# Altium PCB CSUEAF4_v2.0(no polygon).PcbDoc (part 2 of 2)
Units mil, origin at the board's own origin, x right, y up, seen from the top; angles counter-clockwise.
Board outline 3947.04 x 3947.04 mil, 2 copper layers (Top Layer, Bottom Layer); 88 components, 107 nets, 436 pads, 166 vias.
Unrouted connection lines stored in the file: 67.
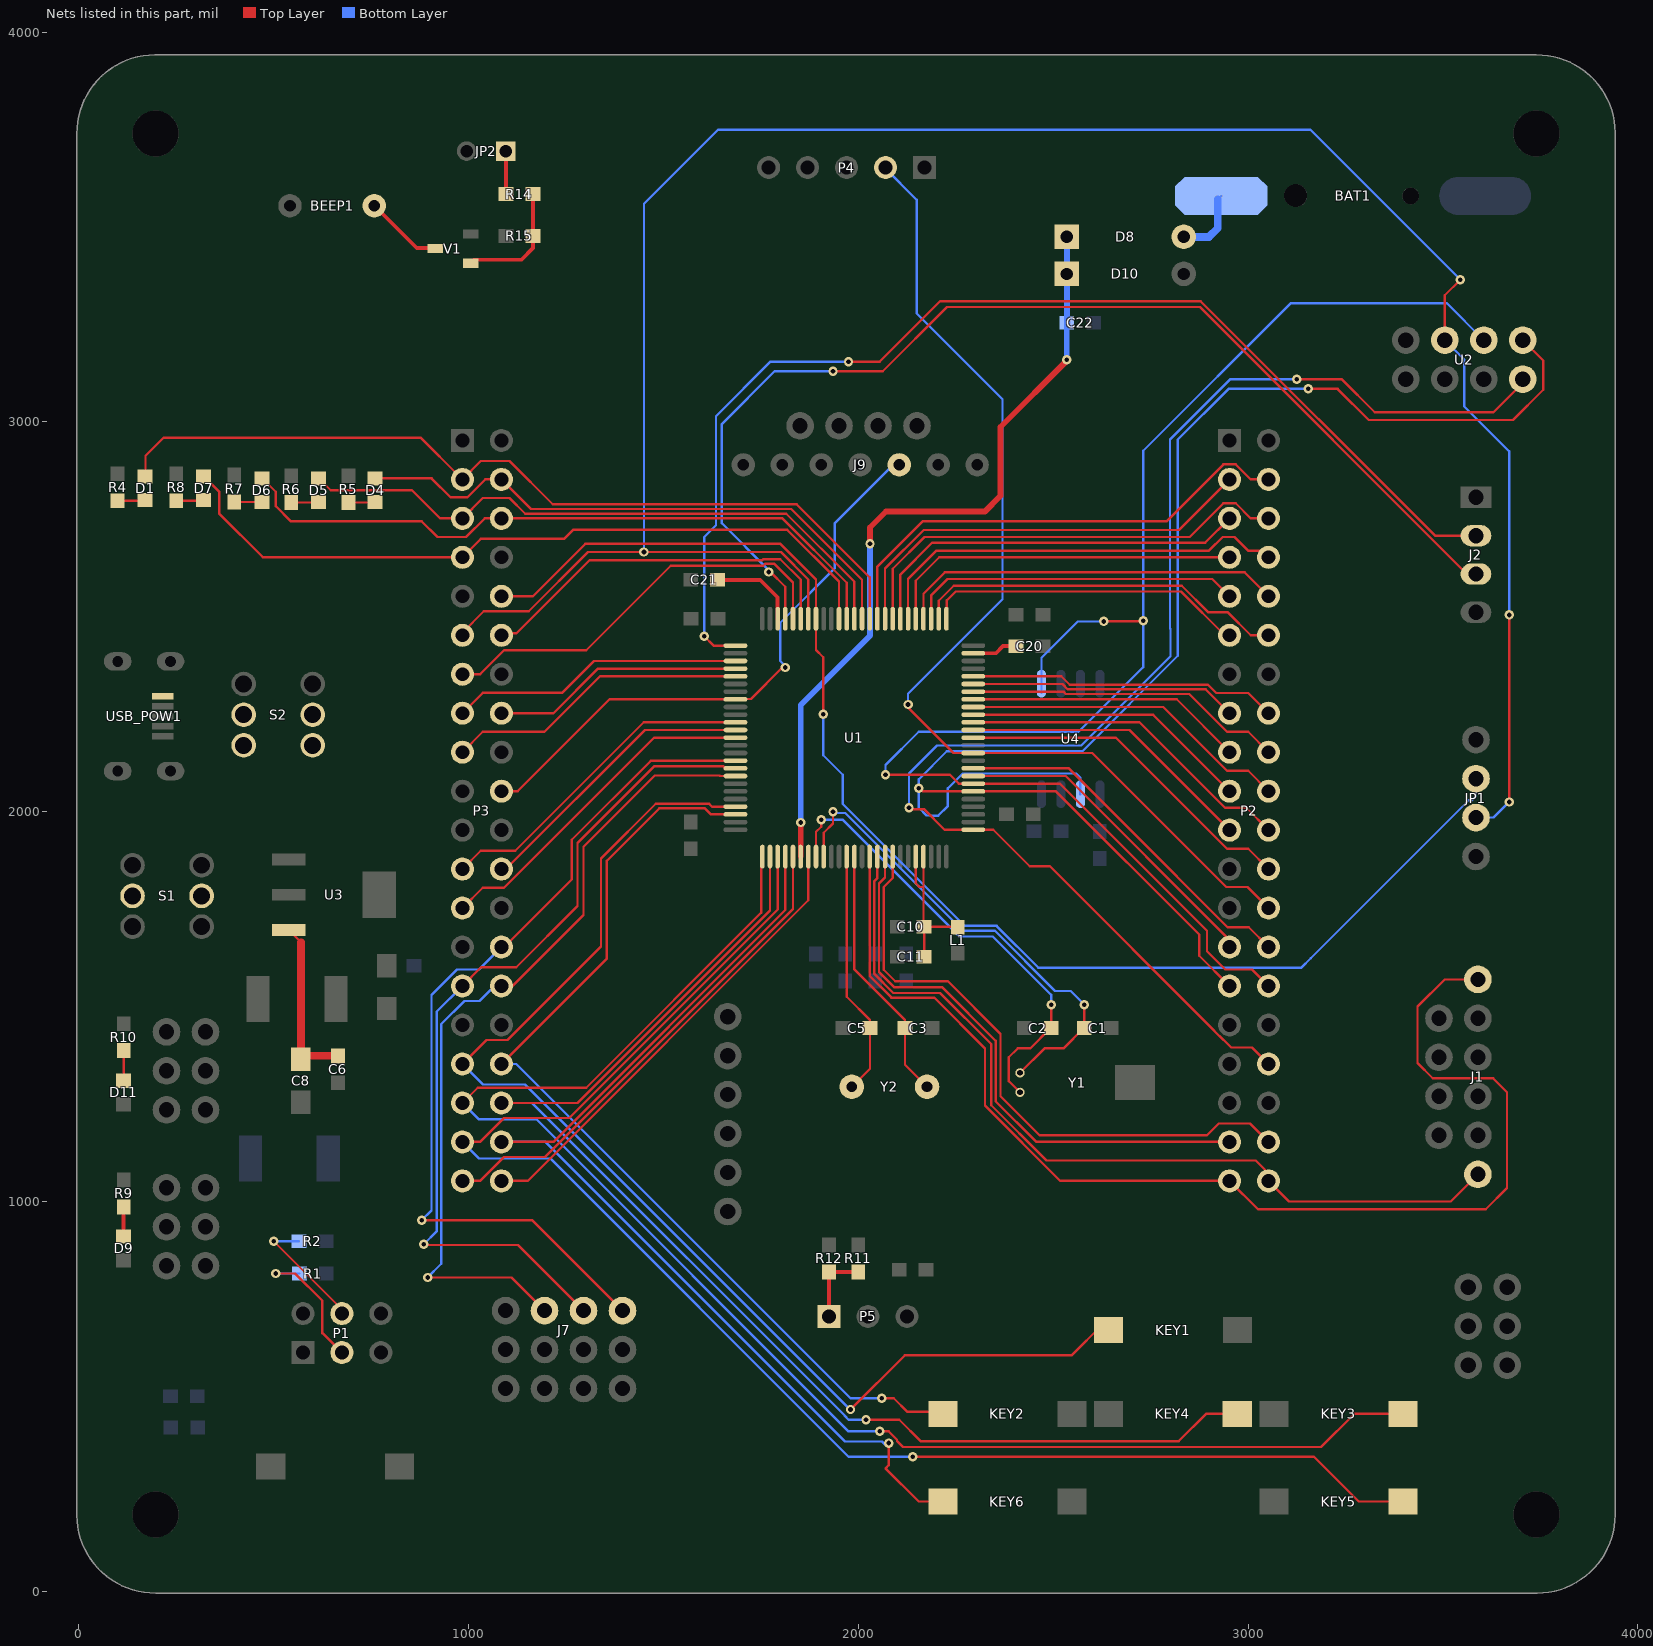
[diagram p2: the nets of this part, all layers, seen from the top]

## Via types
v1: diameter 24, hole 12, Top Layer to Bottom Layer, tented both sides, 144 vias
v2: diameter 24, hole 12, Top Layer to Bottom Layer, 22 vias

## Nets (pads, with @x,y where several pads share a name; then routed paths per layer and width w, separated by ;. In a path a pad name is that pad's centre, name@x,y a point inside that pad or via, vN(x,y) a via of type N, cw(c..) or ccw(c..) an arc to the next point about the centre after c; other vN are vias at no path point) (continued)
KEY: J1.1 P2.40 U1.16 | length 2227.2
  Top Layer w6: U1.16@2049.06,1884.88 2049.06,1829.78 2041.37,1822.09 2041.37,1583.6 2089.97,1535 2210,1535 2341,1404 2341,1246.8 2482.8,1105 3020,1105 3052.76,1072.24 P2.40@3052.76,1052.76 3105.51,1000 3520.31,1000 J1.1@3590,1069.69
KEY1: KEY1.1 P3.33 U1.97 | length 3229.2
  Top Layer w6: P3.33@984.25,1352.76 1045.72,1414.23 1100.21,1414.23 1340,1654.02 1340,1880 1480.52,2020.52 1617.31,2020.52 1625,2012.83 U1.97@1684.88,2012.83 ; v1(1980,466) 2119,605 2547.41,605 KEY1.1@2627.41,685
  Bottom Layer w6: P3.33@984.25,1352.76 992.24,1352.76 992.24,1344.76 1037.01,1300 1145,1300 v1@1985,460 ; v1(1980,466) v1@1983.06,466
KEY2: KEY2.1 P3.34 U1.98 | length 2523.5
  Top Layer w6: P3.34@1084.25,1352.76 1355,1623.5 1355,1874.37 1489.15,2008.52 1606.48,2008.52 1621.85,1993.15 U1.98@1684.88,1993.15 ; v1(2060,495) 2091,495 2126,460 KEY2.1@2212.41,460
  Bottom Layer w6: P3.34@1084.25,1352.76 1122.52,1352.76 1980.27,495 v1(2060,495)
KEY3: KEY3.1 P3.35 U1.1 | length 3930
  Top Layer w6: P3.35@984.25,1252.76 1023.5,1292 1302,1292 1751.1,1741.1 1751.1,1863.28 1753.78,1865.96 U1.1@1753.78,1884.88 ; v1(2055,410) 2078.12,410 2099.42,388.7 2099.42,385.58 2115,370 3187.48,370 3272.48,455 KEY3.1@3397.59,455
  Bottom Layer w6: P3.35@984.25,1252.76 1025.71,1211.3 1173.7,1211.3 1975,410 v1(2055,410)
KEY4: KEY4.1 P3.36 U1.2 | length 3309.3
  Top Layer w6: P3.36@1084.25,1252.76 1279.73,1252.76 1773.46,1746.49 U1.2@1773.46,1884.88 ; v1(2020,440) 2105,440 2160,385 2822.48,385 2892.48,455 KEY4.1@2972.59,455
  Bottom Layer w6: P3.36@1084.25,1252.76 1163.19,1252.76 1964.65,451.29 1964.65,450.65 1975.3,440 v1(2020,440)
KEY5: KEY5.1 P3.37 U1.3 | length 3990.1
  Top Layer w6: P3.37@984.25,1152.76 1029.77,1152.76 1091.24,1214.23 1258.17,1214.23 1793.15,1749.21 U1.3@1793.15,1884.88 ; v1(2140,345) 3169.37,345 3284.37,230 KEY5.1@3397.59,230
  Bottom Layer w6: P3.37@984.25,1152.76 984.25,1147.76 989.25,1147.76 1027.01,1110 1210,1110 1975,345 v1(2140,345)
KEY6: KEY6.1 P3.38 U1.4 | length 2677.5
  Top Layer w6: P3.38@1084.25,1152.76 1217.76,1152.76 1812.83,1747.83 U1.4@1812.83,1884.88 ; v1@2075,385 2078.42,381.58 v1(2078.42,380) 2078.42,323.42 2070,315 2155,230 KEY6.1@2217.41,230
  Bottom Layer w6: P3.38@1084.25,1152.76 1197.24,1152.76 1966,384 2061,384 v1@2070,375
NetBAT1_1: BAT1.1 D8.2 | length 183
  Bottom Layer w6: BAT1.1@2922.36,3571.01 BAT1.1@2931.35,3580
  Bottom Layer w20: D8.2@2835,3475 2900,3475 2922.36,3497.36 BAT1.1@2922.36,3571.01
NetBEEP1_2: BEEP1.2 V1.3 | length 202
  Top Layer w10: BEEP1.2@758.27,3555 867.17,3446.1 913.62,3446.1 V1.3@914.72,3445
NetC6_2: C6.2 C8.1 S1.2 S1.5 S2.3 S2.6 U3.3 | length 442.9
  Top Layer w6: U3.3@538.86,1696.4 570,1665.26
  Top Layer w20: 570,1665.26 C8.1@570,1365 578.6,1373.6 C6.2@665,1373.6
NetC10_2: C10.2 C11.2 L1.1 U1.21 U1.22 | length 436.5
  Top Layer w6: U1.21@2147.48,1884.88 2147.48,1816.52 2157.17,1806.83 2167.17,1806.83 ; U1.22@2167.17,1884.88 2167.17,1806.83 ; C11.2@2169,1627.76 C10.2@2169,1705 ; L1.1@2255,1703.55 2253.55,1705 C10.2@2169,1705 ; 2167.17,1806.83 2167.17,1706.83 C10.2@2169,1705
NetC20_1: C20.1 U1.49 | length 117.5
  Top Layer w10: U1.49@2295.12,2406.54 2353.17,2406.54 2371.63,2425 C20.1@2405,2425
NetC21_1: C21.1 U1.73 | length 227.8
  Top Layer w10: C21.1@1639,2595 1748.44,2595 1793.15,2550.29 U1.73@1793.15,2495.12
NetD1_A: D1.A R4.1 | length 71.3
  Top Layer w6: R4.1@99.37,2798 168.32,2798 D1.A@170,2799.68
NetD4_A: D4.A R5.1 | length 68.8
  Top Layer w6: R5.1@691.84,2793.26 758.58,2793.26 D4.A@760,2794.68
NetD5_A: D5.A R6.1 | length 70.3
  Top Layer w6: R6.1@545.3,2793.26 613.58,2793.26 D5.A@615,2794.68
NetD6_A: D6.A R7.1 | length 71.2
  Top Layer w6: R7.1@398.81,2794.68 D6.A@470,2794.68
NetD7_A: D7.A R8.1 | length 70.7
  Top Layer w6: R8.1@250,2798 318.32,2798 D7.A@320,2799.68
NetD9_A: D9.A R9.1 | length 76
  Top Layer w10: D9.A@115,910 R9.1@115,986
NetD11_A: D11.A R10.1 | length 77
  Top Layer w6: D11.A@115,1310 R10.1@115,1387
NetJP2_1: JP2.1 R14.1 | length 110.4
  Top Layer w10: JP2.1@1095,3695 1096,3694 R14.1@1096,3585
NetP1_3: P1.3 R1.1 | length 363.5
  Top Layer w6: v2(505,815) 555,815 625,745 625,662.23 P1.3@675,612.23
  Bottom Layer w6: v2(505,815) R1.1@566,815
NetP1_4: P1.4 R2.2 | length 323.9
  Top Layer w6: v2(500,898) 675.74,722.26 675.74,712.98 P1.4@675,712.23
  Bottom Layer w6: v2(500,898) R2.2@565,898
NetP5_1: P5.1 R11.1 R12.2 | length 189.4
  Top Layer w10: P5.1@1925,705 R12.2@1925,819.37 R11.1@2000,819.37
NetR14_2: R14.2 R15.2 V1.1 | length 314.6
  Top Layer w10: V1.1@1005.28,3407.6 1014.09,3416.41 1135.41,3416.41 1165,3446 R15.2@1165,3477.4 R14.2@1165,3585
NRF_CS: JP1.3 P3.11 U1.69 U2.4 | length 5863.2
  Top Layer w6: P3.11@984.25,2452.76 984.25,2459.25 1039.23,2514.23 1154.23,2514.23 1306.26,2666.26 v1(1450,2666.26) 1801.5,2666.26 1871.89,2595.87 U1.69@1871.89,2495.12 ; U2.4@3505,3210 3505,3325 v2(3545,3365) ; v2(3670,2025) v2(3670,2505)
  Bottom Layer w6: v1(1450,2666.26) 1450,3560 1640,3750 3160,3750 v2(3545,3365) ; U2.4@3505,3210 3555,3160 3555,3040 3670,2925 v2(3670,2505) ; JP1.3@3585,1985 3630,1985 v2(3670,2025)
NRF_IRQ: P2.34 U1.26 U2.8 | length 3691.4
  Top Layer w6: v1(2130,2010) 2133.35,2006.65 2168.66,2006.65 2221.52,1953.78 U1.26@2295.12,1953.78 2346.42,1953.78 2440.2,1860 2491.8,1860 2914.23,1437.57 2914.23,1436.8 2936.8,1414.23 2937.57,1414.23 2956.8,1395 3010.51,1395 P2.34@3052.76,1352.76 ; v2(3125,3110) 3240,3110 3325,3025 3630,3025 3705,3100 U2.8@3705,3110
  Bottom Layer w6: v1(2130,2010) 2130,2098.17 2201.83,2170 2571.97,2170 2801,2399.03 2801,2468.7 2800,2469.7 2800,2955 2955,3110 v2(3125,3110) ; U2.8@3697.73,3117.27 U2.8@3705,3110
"OS 8M IN": C5.2 U1.12 Y2.1 | length 634.6
  Top Layer w6: U1.12@1970.32,1884.88 1970.32,1525.18 2030,1465.5 C5.2@2030,1445 2030,1340.75 Y2.1@1983.54,1294.29
"OS 8M OUT": C3.2 U1.13 Y2.2 | length 667.8
  Top Layer w6: U1.13@1990,1884.88 1990,1595.5 2120,1465.5 C3.2@2120,1445 2120,1350.75 Y2.2@2176.46,1294.29
"OS 32K IN": C2.2 U1.8 Y1.1 | length 1202.6
  Top Layer w6: U1.8@1891.57,1884.88 1891.57,1948.43 1904.75,1961.6 v1(1904.75,1979) ; Y1.1@2415,1280 2386.22,1308.78 2386.22,1370 2408.98,1392.76 2441.26,1392.76 2493.5,1445 C2.2@2495,1445 v1(2495,1505)
  Bottom Layer w6: v1(1904.75,1979) 1961,1979 2260,1680 2345,1680 2495,1530 v1(2495,1505)
"OS 32K OUT": C1.2 U1.9 Y1.2 | length 1247.6
  Top Layer w6: U1.9@1911.26,1884.88 1911.26,1946.26 1935,1970 v1(1935,2000) ; Y1.2@2415,1330 2477.76,1392.76 2526.26,1392.76 2578.5,1445 C1.2@2580,1445 v1(2580,1505)
  Bottom Layer w6: v1(1935,2000) 1938.35,1996.65 1966.38,1996.65 2268.03,1695 2350,1695 2505,1540 2545,1540 v1(2580,1505)
PA6: P2.29 U1.31 U2.7 U4.2 | length 4205.4
  Top Layer w6: v1(2155,2060) 2157.17,2060 2164.69,2052.48 2294.84,2052.48 U1.31@2295.12,2052.2 2507.49,2052.2 2875,1684.7 2875,1630.51 P2.29@2952.76,1552.76 ; v2(3155,3085) 3230,3085 3310,3005 3680,3005 3757.51,3082.51 3757.51,3157.49 U2.7@3705,3210
  Bottom Layer w6: U4.2@2570,2045 2570,2086.49 2558.49,2098 2268,2098 2230,2060 2230,2015 2205,1990 2185.3,1990 2185.15,1990.15 2174.85,1990.15 2155,2010 v1(2155,2060) 2155,2083 2227,2155 2575,2155 2820,2400 2820,2955 2950,3085 v2@3150,3085
PA7: P2.30 U1.32 U2.6 U4.5 | length 4044
  Top Layer w6: v1(2070,2095) 2235,2095 2258.11,2071.89 U1.32@2295.12,2071.89 2517.51,2071.89 2895,1694.4 2895,1641.8 2941.56,1595.24 3010.27,1595.24 P2.30@3052.76,1552.76 ; v1(2630,2488.3) 2630.85,2489.15 2730.15,2489.15 v1(2731,2490)
  Bottom Layer w6: v1(2070,2095) 2070,2120 2155,2205 2565,2205 2731,2371 v1(2731,2490) 2731,2926 3110,3305 3510,3305 U2.6@3605,3210 ; U4.5@2470,2304.84 U4.5@2470,2328.46 2470,2395 2563.3,2488.3 v1(2630,2488.3)
PA9: JP1.2 P3.10 U1.68 | length 3544.7
  Top Layer w6: P3.10@1074.91,2543.41 P3.10@1084.25,2552.76 1165,2552.76 1299.5,2687.26 1800.24,2687.26 1891.57,2595.93 U1.68@1891.57,2495.12 1891.57,2414.99 1910,2396.56 v1(1910,2250)
  Bottom Layer w6: v1(1910,2250) 1910,2145 1960,2095 1960,2020 2273,1707 2354.97,1707 2461.97,1600 3137.3,1600 3161.15,1623.85 3161.15,1623.99 3566.6,2029.43 3574.43,2029.43 3585,2040 JP1.2@3585,2085
PA11: P3.12 U1.70 | length 971.1
  Top Layer w6: P3.12@1084.25,2452.76 1089.28,2457.78 1122.78,2457.78 1310.26,2645.26 1753.59,2645.26 1756.33,2648 1800,2648 1852.2,2595.8 U1.70@1852.2,2495.12
PA12: P3.13 U1.71 | length 1078.6
  Top Layer w6: P3.13@984.25,2352.76 1029.77,2352.76 1091.24,2414.23 1302.26,2414.23 1519.03,2631 1756.3,2631 1761.3,2636 1784.93,2636 1832.52,2588.41 U1.71@1832.52,2495.12
PA13: J2.3 U1.72 | length 2913.3
  Top Layer w6: v1(1770,2615) 1775,2615 1812.83,2577.17 U1.72@1812.83,2495.12 ; v1(1935,3130) 2062.76,3130 2227.76,3295 2876.51,3295 3561.51,2610 J2.3@3585,2610
  Bottom Layer w6: v1(1770,2615) 1770,2620 1650,2740 1650,2995 1785,3130 v1(1935,3130)
PA14: J2.2 U1.76 | length 2988.5
  Top Layer w6: v1(1605,2450) 1628.78,2426.22 U1.76@1684.88,2426.22 ; v1(1975,3155) 2055,3155 2210,3310 2878.48,3310 3480.06,2708.43 J2.2@3585,2708.43
  Bottom Layer w6: v1(1605,2450) 1605,2705 1635,2735 1635,3015 1775,3155 v1(1975,3155)
PB1: P2.26 P4.2 U1.36 | length 2764
  Top Layer w6: v1(2127.8,2275) 2127.8,2272.8 2125,2270 2244.37,2150.63 U1.36@2295.12,2150.63 2600.4,2150.63 2944.19,1806.83 2998.68,1806.83 P2.26@3052.76,1752.76
  Bottom Layer w6: P4.2@2055,3652.97 2067.03,3652.97 2150,3570 2150,3278.3 2370,3058.3 2370,2545 2127.8,2302.8 v1(2127.8,2275)
PB5: J7.1 P3.28 U1.91 | length 2289.4
  Top Layer w6: v1(880,952.16) 1162.84,952.16 J7.1@1395,720 ; P3.28@1084.25,1652.76 P3.28@1084.25,1671.53 ; P3.28@1098.56,1659.78 1265,1826.22 1265,1928.03 1467.92,2130.94 U1.91@1684.88,2130.94
  Bottom Layer w6: v1(880,952.16) 905,977.16 905,1530 970,1595 1026.5,1595 P3.28@1084.25,1652.76
PB6: J7.3 P3.29 U1.92 | length 2214.9
  Top Layer w6: v1@885,888.37 1126.63,888.37 J7.3@1295,720 ; P3.29@984.25,1552.76 1032.21,1600.71 1122.2,1600.71 1279.73,1758.24 1279.73,1919.73 1477,2117 1653.14,2117 1658.88,2111.26 U1.92@1684.88,2111.26
  Bottom Layer w6: v1(885,890) 918,923 918,1486.5 P3.29@984.25,1552.76
PB7: J7.5 P3.30 U1.93 | length 2121.9
  Top Layer w6: v1(895,805) 1110,805 J7.5@1195,720 ; P3.30@1084.25,1552.76 1112.76,1552.76 1295,1735 1295,1910 1477.89,2092.89 1643.7,2092.89 1645.01,2091.57 U1.93@1684.88,2091.57
  Bottom Layer w6: v1(895,805) 930,840 930,1455 989.23,1514.23 1027.76,1514.23 1056.13,1542.6 1074.1,1542.6 P3.30@1084.25,1552.76
PB12: P2.11 U1.51 | length 829
  Top Layer w6: U1.51@2226.22,2495.12 2227.22,2496.12 2227.22,2542.22 2250,2565 2828.03,2565 2940.27,2452.76 P2.11@2952.76,2452.76
PB13: P2.12 U1.52 | length 961.3
  Top Layer w6: U1.52@2206.54,2495.12 2206.54,2541.54 2245,2580 2830,2580 2898.55,2511.45 2948.54,2511.45 3007.24,2452.76 P2.12@3052.76,2452.76
PB14: P2.9 U1.53 | length 861.7
  Top Layer w6: U1.53@2186.85,2495.12 2186.85,2555 2229.06,2597.2 2908.31,2597.2 P2.9@2952.76,2552.76
PB15: P2.10 U1.54 | length 997.9
  Top Layer w6: U1.54@2167.17,2495.12 2167.17,2559.17 2222.23,2614.23 2991.28,2614.23 P2.10@3052.76,2552.76
PC0: J1.6 P2.39 U1.15 | length 3133.4
  Top Layer w6: U1.15@2029.37,1884.88 2029.37,1578.63 2085,1523 2194.76,1523 2325,1392.76 2325,1245.82 2518.07,1052.76 P2.39@2952.76,1052.76 3025.51,980 3610,980 3664.74,1034.74 3664.74,1280.26 3629,1316 3474,1316 3435,1355 3435,1500 3504.69,1569.69 J1.6@3590,1569.69
PC2: P2.37 U1.17 | length 1473.6
  Top Layer w6: U1.17@2068.74,1884.88 2068.74,1831 2053.37,1815.63 2053.37,1588.57 2091.94,1550 2215,1550 2353,1412 2353,1256.69 2456.93,1152.76 P2.37@2952.76,1152.76
PC3: P2.38 U1.18 | length 1589.2
  Top Layer w6: U1.18@2088.43,1884.88 2088.43,1830.01 2065.37,1806.96 2065.37,1594.29 2094.66,1565 2230,1565 2365,1430 2365,1270 2465.31,1169.69 2894.69,1169.69 2925,1200 3005.51,1200 P2.38@3052.76,1152.76
PC4: P2.27 U1.33 | length 850.1
  Top Layer w6: U1.33@2295.12,2091.57 2532.12,2091.57 2942.6,1681.09 2942.6,1662.91 P2.27@2952.76,1652.76
PC5: P2.28 U1.34 | length 947.9
  Top Layer w6: U1.34@2295.12,2111.26 2540.41,2111.26 2818,1833.67 2818,1833.03 2947.47,1703.55 3001.96,1703.55 P2.28@3052.76,1652.76
PC6: D5.K P3.5 U1.63 | length 1628.6
  Top Layer w6: D5.K@618.91,2859.22 D5.K@615,2855.32 615.98,2855.32 646.3,2825 855,2825 927.24,2752.76 P3.5@984.25,2752.76 1036.5,2805 1105,2805 1145.24,2764.76 1815.24,2764.76 1990,2590 U1.63@1990,2495.12
PC7: D6.K P3.6 U1.64 | length 1779.1
  Top Layer w6: D6.K@470,2865.32 465,2860.32 D6.K@470,2855.32 470.98,2855.32 505.18,2821.12 505.18,2784.15 544.33,2745 880,2745 920,2705 993.57,2705 1041.33,2752.76 P3.6@1084.25,2752.76 1805.25,2752.76 1970.32,2587.69 U1.64@1970.32,2495.12
PC8: D7.K P3.7 U1.65 | length 1929.1
  Top Layer w6: D7.K@320,2860.32 320.98,2860.32 360,2821.3 360,2765 472.24,2652.76 P3.7@984.25,2652.76 1031.5,2700 1245,2700 1268.26,2723.26 1817.77,2723.26 1950.63,2590.4 U1.65@1950.63,2495.12
PC10: P3.15 U1.78 | length 756.2
  Top Layer w6: P3.15@984.25,2252.76 1036.5,2305 1240,2305 1321.85,2386.85 U1.78@1684.88,2386.85
PC11: P3.16 U1.79 | length 648
  Top Layer w6: P3.16@1084.25,2252.76 1217.76,2252.76 1332.17,2367.17 U1.79@1684.88,2367.17
PC12: P3.17 U1.80 | length 781.3
  Top Layer w6: P3.17@984.25,2152.76 1036.5,2205 1195,2205 1337.48,2347.48 U1.80@1684.88,2347.48
PC13: P3.40 U1.7 | length 1197.9
  Top Layer w6: P3.40@1084.25,1052.76 1151.7,1052.76 1871.89,1772.95 U1.7@1871.89,1884.88
PD2: J9.5 P3.20 U1.83 | length 1521
  Top Layer w6: P3.20@1084.25,2052.76 1125.93,2052.76 1361.59,2288.43 U1.83@1684.88,2288.43 1685.85,2289.39 1724.39,2289.39 1805,2370 v1(1812.83,2370)
  Bottom Layer w6: v1(1812.83,2370) 1812.83,2374.03 1800,2386.86 1800,2485 1940,2625 1940,2741 2078.67,2879.67 2094.67,2879.67 J9.5@2105,2890
PD5: P3.23 U1.86 | length 856.6
  Top Layer w6: P3.23@984.25,1852.76 1031.5,1900 1120,1900 1449.37,2229.37 U1.86@1684.88,2229.37
PD6: P3.24 U1.87 | length 748.5
  Top Layer w6: P3.24@1084.25,1852.76 1095.51,1852.76 1452.44,2209.68 U1.87@1684.88,2209.68
PD7: P3.25 U1.88 | length 881.7
  Top Layer w6: P3.25@984.25,1752.76 1036.5,1805 1091.06,1805 1476.06,2190 U1.88@1684.88,2190
PD8: P2.7 U1.55 | length 927.6
  Top Layer w6: U1.55@2147.48,2495.12 2147.48,2592.48 2207.76,2652.76 P2.7@2952.76,2652.76
PD9: P2.8 U1.56 | length 1093.3
  Top Layer w6: U1.56@2127.8,2495.12 2127.8,2597.2 2200.59,2670 2900,2670 2935,2705 2965,2705 3000,2670 3035.51,2670 P2.8@3052.76,2652.76
PD10: P2.5 U1.57 | length 1017.9
  Top Layer w6: U1.57@2108.11,2495.12 2108.11,2608.7 2189.41,2690 2890,2690 P2.5@2952.76,2752.76
PD11: P2.6 U1.58 | length 1178.1
  Top Layer w6: U1.58@2088.43,2495.12 2088.43,2623.43 2170,2705 2850.51,2705 2936.8,2791.28 2968.71,2791.28 3007.24,2752.76 P2.6@3052.76,2752.76
PD12: P2.3 U1.59 | length 1107.5
  Top Layer w6: U1.59@2068.74,2495.12 2068.74,2623.74 2168,2723 2823,2723 P2.3@2952.76,2852.76
PD13: P2.4 U1.60 | length 1262.2
  Top Layer w6: U1.60@2049.06,2495.12 2049.06,2629.06 2165,2745 2790.51,2745 2936.8,2891.28 2968.71,2891.28 3007.24,2852.76 P2.4@3052.76,2852.76
PD14: D1.K P3.3 U1.61 | length 2229.6
  Top Layer w6: D1.K@170,2860.32 170.98,2860.32 170.98,2913.2 217.78,2960 877.01,2960 977.24,2859.76 977.24,2852.76 P3.3@984.25,2852.76 1031.5,2900 1105,2900 1216.24,2788.76 1841.87,2788.76 2029.37,2601.26 U1.61@2029.37,2495.12
PD15: D4.K P3.4 U1.62 | length 1509.7
  Top Layer w6: D4.K@760,2865.32 755,2860.32 D4.K@760,2855.32 905.31,2855.32 953.77,2806.85 996.99,2806.85 1042.9,2852.76 P3.4@1084.25,2852.76 1160.25,2776.76 1828.24,2776.76 2009.68,2595.32 U1.62@2009.68,2495.12
PE6: P3.39 U1.5 | length 1271.6
  Top Layer w6: P3.39@984.25,1052.76 1029.77,1052.76 1091.24,1114.23 1196.2,1114.23 1832.52,1750.55 U1.5@1832.52,1884.88
PE7: P2.24 U1.38 | length 897.3
  Top Layer w6: U1.38@2295.12,2190 2661.03,2190 2946.03,1905 3000.51,1905 P2.24@3052.76,1852.76
PE8: P2.21 U1.39 | length 764.1
  Top Layer w6: U1.39@2295.12,2209.68 2695.83,2209.68 P2.21@2952.76,1952.76
PE9: P2.22 U1.40 | length 872.2
  Top Layer w6: U1.40@2295.12,2229.37 2721.66,2229.37 2941.03,2010 2995.51,2010 P2.22@3052.76,1952.76
PE10: P2.19 U1.41 | length 738.9
  Top Layer w6: U1.41@2295.12,2249.06 2756.46,2249.06 P2.19@2952.76,2052.76
PE11: P2.20 U1.42 | length 847.1
  Top Layer w6: U1.42@2295.12,2268.74 2782.29,2268.74 2946.03,2105 3000.51,2105 P2.20@3052.76,2052.76
PE12: P2.17 U1.43 | length 713.8
  Top Layer w6: U1.43@2295.12,2288.43 2817.09,2288.43 P2.17@2952.76,2152.76
PE13: P2.18 U1.44 | length 822
  Top Layer w6: U1.44@2295.12,2308.11 2526.49,2308.11 2532.6,2302 2849.03,2302 2946.03,2205 3000.51,2205 P2.18@3052.76,2152.76
PE14: P2.15 U1.45 | length 688.7
  Top Layer w6: U1.45@2295.12,2327.8 2523.77,2327.8 2537.57,2314 2891.51,2314 P2.15@2952.76,2252.76
PE15: P2.16 U1.46 | length 796.9
  Top Layer w6: U1.46@2295.12,2347.48 2521.06,2347.48 2542.54,2326 2897.11,2326 2918.47,2304.64 3000.87,2304.64 P2.16@3052.76,2252.76
VBAT: C22.2 D8.1 D10.1 U1.6 | length 2015.3
  Top Layer w15: U1.6@1852.2,1884.88 v1(1852.2,1972.2) ; v1(2030,2687.26) 2030,2729.43 2071.16,2770.59 2323.82,2770.59 2324.41,2770 2365,2810.59 2365,2987.43 v1@2537.57,3160
  Bottom Layer w10: D10.1@2535,3380 D10.1@2536,3379
  Bottom Layer w15: v1(1852.2,1972.2) 1852.2,2274.05 2030,2451.85 v1(2030,2687.26) ; v1(2535,3160) C22.2@2535,3255 ; D8.1@2536,3465 2536,3256.57 C22.2@2537.57,3255
VUSB: S2.2 S2.5 USB_POW1.1 | length 5.3
  Top Layer w10: USB_POW1.1@198.99,2296.93 USB_POW1.1@204.26,2296.93
pads on no net: BAT1.0 J6.1 J6.2 S1.1 S1.4 S2.1 S2.4 USB_POW1.2 USB_POW1.3 USB_POW1.4 USB_POW1.6 Y1.3

## Polygon pours and split planes (outlines as drawn)
GND on Bottom Layer (hatched Horizontal grid 4 track 5, remove dead copper, pour order 58): -5.01,194.97 cw(c0,195) -4.93,195.93 cw(c0,196.85) -5.01,196.85 -5.01,3739.98 cw(c196,3741) 194.97,3942.02 cw(c195,3937.01) 195.93,3941.94 cw(c196.85,3937.01) 196.85,3942.02 3739.98,3942.02 cw(c3741,3741) 3942.02,3742.03 cw(c3937.01,3742.01) 3942.02,3742.01 cw(c3937.01,3742.01) 3941.94,3741.08 cw(c3937.01,3740.16) 3942.02,3740.16 3942.02,197.03 ccw(c3741,196) 3942.02,197.03 cw(c3741,196) 3942.03,196 cw(c3741,196) 3742.03,-5.01 cw(c3742.01,0) 3741.08,-4.93 cw(c3740.16,0) 3740.16,-5.01 196.85,-5.01 197.03,-5.02 ccw(c197.01,0) 197.07,-5.01 197.03,-5.02 cw(c196,196)
5V on Bottom Layer "Bottom Layer-5V" (solid, remove dead copper, pour order 40): 80,1745 87.5,1745 382.5,1745 382.5,1610 467.5,1525 465,1522.5 465,1450 282.5,1450 232.5,1500 85,1500 75,1510
3V3 on Bottom Layer "NONET_L02_P-001" (hatched Horizontal grid 4 track 5, remove dead copper, pour order 32): 440,1757.5 440,1840 756,1840 760,1836 760,1757.5
no net on Bottom Layer "NONET_L02_P-001" (hatched Horizontal grid 4 track 5, remove dead copper, pour order 28): 374.55,980
3V3 on Bottom Layer "NONET_L02_P-001" (hatched Horizontal grid 4 track 5, remove dead copper, pour order 26): 279.5,1075 280.27,1074.23 374.55,1074.23 374.55,786.03 375.58,785 365.58,775 280,775
5V on Bottom Layer "NONET_L02_P-001" (hatched Horizontal grid 4 track 5, remove dead copper, pour order 24): 285,1470 455,1470 470,1455 465,1450 465,1195 284.1,1195
3V3 on Bottom Layer "NONET_L02_P-001" (hatched Horizontal grid 4 track 5, remove dead copper, pour order 22): 735,1849.25 739.25,1845 875,1845 875,1660 820,1660 820,1563.18 745.42,1563.59
GND on Top Layer (hatched Horizontal grid 4 track 5, remove dead copper, pour order 56): -5.01,194.97 cw(c0,195) -4.93,195.93 cw(c0,196.85) -5.01,196.85 -5.01,3739.98 cw(c196,3741) 194.97,3942.02 cw(c195,3937.01) 195.93,3941.94 cw(c196.85,3937.01) 196.85,3942.02 3739.98,3942.02 cw(c3741,3741) 3942.02,3742.03 cw(c3937.01,3742.01) 3942.02,3742.01 cw(c3937.01,3742.01) 3941.94,3741.08 cw(c3937.01,3740.16) 3942.02,3740.16 3942.02,197.03 ccw(c3741,196) 3942.02,197.03 cw(c3741,196) 3942.03,196 cw(c3741,196) 3742.03,-5.01 cw(c3742.01,0) 3741.08,-4.93 cw(c3740.16,0) 3740.16,-5.01 196.85,-5.01 197.03,-5.02 ccw(c197.01,0) 197.07,-5.01 197.03,-5.02 cw(c196,196)
5V on Top Layer "Top Layer-5V" (solid, remove dead copper, pour order 44): 283.38,1560 509,1560 509,1299 394,1184 274,1184
NetC6_2 on Top Layer "Top Layer-NetC6_2" (solid, remove dead copper, pour order 38): 80.9,1830 440.25,1830 440.25,1759.64 567.45,1632.45 425,1630 325.62,1746.28 78.59,1746.28 75.59,1749.28
3V3 on Top Layer "NONET_L02_P-001" (hatched Horizontal grid 4 track 5, remove dead copper, pour order 16): 440.84,1840 598,1840 598,1762.24 602,1758.24 599.76,1756 439.07,1756
NetC6_2 on Top Layer "Top Layer-NetC6_2 1" (solid, remove dead copper, pour order 36): 360,2212.17 665,2212.17 665,2050 703.59,1993.59 710,1955 710,1651 694,1635 471.68,1635 465,1641.68 465,1725 610,1725 610,1745 610,1900 505,1900 360,2045
VUSB on Top Layer "Top Layer-VUSB" (solid, remove dead copper, pour order 34): 150,2455 170,2475 660,2475 660,2215 470,2215 340,2215 340,2265 320,2285 150,2285
no net on Top Layer "NONET_L02_P-001" (hatched Horizontal grid 4 track 5, remove dead copper, pour order 20): 805,1566
3V3 on Top Layer "NONET_L02_P-001" (hatched Horizontal grid 4 track 5, remove dead copper, pour order 18): 730,1863.28 880,1863.28 880,1566 730,1566

## Keep-outs
Keep-Out Layer:
  lines w10: 0,195 ccw(c196,196) 197.01,0 ; 0,196.85 0,3740.16 ; 0,3740 cw(c196,3741) 195,3937.01 ; 196.85,0 3740.16,0 ; 196.85,3937.01 3740.16,3937.01 ; 3740,3937.01 cw(c3741,3741) 3937.01,3742.01 ; 3742.01,0 ccw(c3741,196) 3937.01,197.01 ; 3937.01,196.85 3937.01,3740.16

## Other copper
Top Layer:
  pour cut-out: 2914.73,2984 3074.43,2984 3074.43,1031.08 3073.43,1032.09 2931.67,1032.09
  pour cut-out: 945,2888 1117.26,2888 1117.67,2888.41 1117.67,1031.96 959.35,1031.96 955.39,1028
  text "TOP" at 280,4040 h60
Bottom Layer:
  pour cut-out: 2900,2992 2905,2987 3100.26,2987 3100.26,1006.26 3090,996 3086,1000 2915,1000
  pour cut-out: 955,2904 1125,2904 1120,2899 1120,992 940.9,992 932.9,1000
  text "BUTTOM" at 920,4040 h60

## Silkscreen, mask and mechanical layers (free items; w line width, h text height)
Top Overlay:
  drawing of 935 lines, arcs and shapes, not listed
  text "GND" at 1770,3730 h30
  text "Echo" at 1900,3730 h30
  text "Trig" at 2045,3730 h30
  text "VCC" at 2240,3640 h30
  text "beep" at 155,3530 h60
  text "HC-SR04 / US-100" at 1784.93,3405 h60
  text "NRF" at 3850,3080 h60 r90
  text "GND" at 1810,3065 h30
  text "VCC" at 1910,3065 h30
  text "D0" at 2025,3065 h30
  text "D1" at 2120,3065 h30
  text "GND" at 3365,3005 h30
  text "流水灯" at 320,2975 h100
  text "RES" at 2235,2975 h30
  text "DC" at 2355,2975 h30
  text "CS" at 2450,2975 h30
  text "GND" at 1595,2970 h30
  text "VCC" at 1695,2970 h30
  text "jlink" at 3830,2525 h60 r90
  text "3V3" at 3510,2155 h30 r90
  text "TX" at 3510,2060 h30 r90
  text "3.3V开关" at 397.25,1995 h60
  text "RX" at 3510,1960 h30 r90
  text "USART1" at 3755,1890 h60 r90
  text "GND" at 3510,1845 h30 r90
  text "5V开关" at 105,1605 h60
  text "GND" at 195,1528 h30
  text "5V" at 308.32,1528 h30
  text "STATE" at 3695,1515 h30 r90
  text "RX TX / USART3" at 3745,1330 h30 r90
  text "GND" at 3695,1230 h30 r90
  text "VCC" at 3695,1130 h30 r90
  text "blue tooth" at 3845,1055 h60 r90
  text "KEY" at 3695,1031.08 h30 r90
  text "MPU6050" at 1805,1025 h60 r90
  text "GND /  / PD14 /  / PC6 /  / PC8 /  / PA8 /  / PA10 /  / PA12 /  / PC10 /  / PC12 /  / PD1 /  / PD3 /  / PD5 /  / PD7 /  / PB4 /  / PB6 /  / PB8 /  / PE0 /  / PE2 /  / PE4 /  / PE6" at 1172,1024.23 h26
  text "GND /  / PD15 /  / PC7 /  / PC9 /  / PA9 /  / PA11 /  / PA13 /  / PC11 /  / PD0 /  / PD2 /  / PD4 /  / PD6 /  / PB3 /  / PB5 /  / PB7 /  / PB9 /  / PE1 /  / PE3 /  / PE5 /  / PC13" at 1307.5,1024.23 h26
  text "3.3V /  / PD13 /  / PD11 /  / PD9 /  / PB15 /  / PB13 /  / PB11 /  / PE15 /  / PE13 /  / PE11 /  / PE9 /  / PE7 /  / PB1 /  / PC5 /  / PA7 /  / PA5 /  / PA3 /  / PA1 /  / PC3 /  / PC1" at 3115,1023.82 h26
  text "3.3V /  / PD12 /  / PD10 /  / PD8 /  / PB14 /  / PB12 /  / PB10 /  / PE14 /  / PE12 /  / PE10 /  / PE8 /  / PB2 /  / PB0 /  / PC4 /  / PA6 /  / PA4 /  / PA2 /  / PA0 /  / PC2 /  / PC0" at 2790,1020 h26
  text "VCC" at 1620.77,870 h30
  text "TIM4_4" at 930,800.94 h30
  text "3V3" at 504.48,800 h30
  text "BOOT1" at 617.27,800 h30
  text "GND" at 777,800 h30
  text "3" at 1185,796 h30
  text "2" at 1285,796 h30
  text "1" at 1390,796 h30
  text "ADC1-0" at 3740.16,760 h30
  text "DAC1" at 3385,755 h30
  text "GND" at 180,708 h30
  text "3V3" at 293.32,708 h30
  text "PWM" at 1490,700 h30
  text "ADC2-1" at 3739.69,670 h30
  text "DAC2" at 3385,660 h30
  text "GND" at 1990,610 h30
  text "VCC" at 2095.77,610 h30
  text "5V" at 1500,600 h30
  text "ADC3-2" at 3739.69,570 h30
  text "GND" at 3400,560 h30
  text "GND" at 1490,505 h30
  text "Remote" at 1870,505 h60
  text "BOOT0" at 610,500 h30
  text "BOOT" at 275,490 h60
  text "DAC-ADC" at 3465,420 h50
  text "四路舵机" at 1107.72,360 h90
  text "Key" at 2715,220.76 h60
  text "RESET" at 585,181.14 h60
  text "确认" at 3175,85 h60
  text "返回" at 2325,80 h60
Bottom Overlay:
  drawing of 6390 lines, arcs and shapes, not listed
  text "JLCJLCJLCJLC" at 895,3820 h80
  text "资源： / 0.96OLED（SPI） / 蓝牙：RX-PB10；TX-PB11（USART3） / 按键*6：PE0.1.2.3.4.5 / 超声波测距：Trig-PB1,Echo-PB0 / ADC*3(1_CH0,2_CH1,3_CH2)：PA0.1.2 / DAC*2：PA4.5 / 四路舵机/PWM：PB5.6.7.8 / LED*5：PD14.15,PC6.7.8 / UART1：PA9(TX),PA10(RX) / 蜂鸣器：PD0 / 红外(HS0038):PA8 / MPU6050（IIC） / NRF / RTC时钟电池" at 2300,1785 h70
  text "STM3F407VET6核心板V2.0" at 2770,469 h80
  text "中南大学电子设计爱好者协会" at 2780,377 h80
  text "电气1705陈宝轩  ——20.3.26" at 2765,281 h80

## Text inside footprints (layer, text, board x,y; h text height)
J9: Top Overlay "CS" at 2280,2815 h50; Top Overlay "DC" at 2180,2815 h50; Top Overlay "RES" at 2055,2815 h50; Top Overlay "D1" at 1980,2815 h50; Top Overlay "D0" at 1880,2815 h50; Top Overlay "VCC" at 1755,2815 h50; Top Overlay "GND" at 1655,2815 h50
P1: Top Overlay "1" at 481.75,593.98 h50; Top Overlay "2" at 475,692.23 h50; Top Overlay "6" at 845,700 h50; Top Overlay "5" at 845,593.98 h50
P2: Top Overlay "1" at 2932.76,3052.76 h50 r270; Top Overlay "2" at 3032.76,3052.76 h50 r270; Top Overlay "40" at 3032.76,972.76 h50 r270; Top Overlay "39" at 2932.76,972.76 h50 r270
P3: Top Overlay "39" at 964.25,972.76 h50 r270; Top Overlay "40" at 1064.25,972.76 h50 r270; Top Overlay "2" at 1064.25,3052.76 h50 r270; Top Overlay "1" at 964.25,3052.76 h50 r270
S1: Top Overlay "6" at 300,1649 h60 r270; Top Overlay "1" at 115,1939 h60 r270; Top Overlay "▲" at 208,1929.77 h60; Top Overlay "——" at 65,1799 h60 r270; Top Overlay "——" at 345,1799 h60 r270
S2: Top Overlay "6" at 585,2114.06 h60 r270; Top Overlay "1" at 400,2404.06 h60 r270; Top Overlay "▲" at 493,2394.83 h60; Top Overlay "——" at 350,2264.06 h60 r270; Top Overlay "——" at 630,2264.06 h60 r270